# Altium PCB qfuse_PCB.PcbDoc (part 1 of 2)
Units mm, origin at the board's own origin, x right, y up, seen from the top; angles counter-clockwise.
Board outline 56 x 65 mm, 4 copper layers (Signal Layer 1, Top GND, Bottom GND, Signal Layer 2), stack 1.586 mm thick; 138 components, 67 nets, 465 pads, 427 vias.
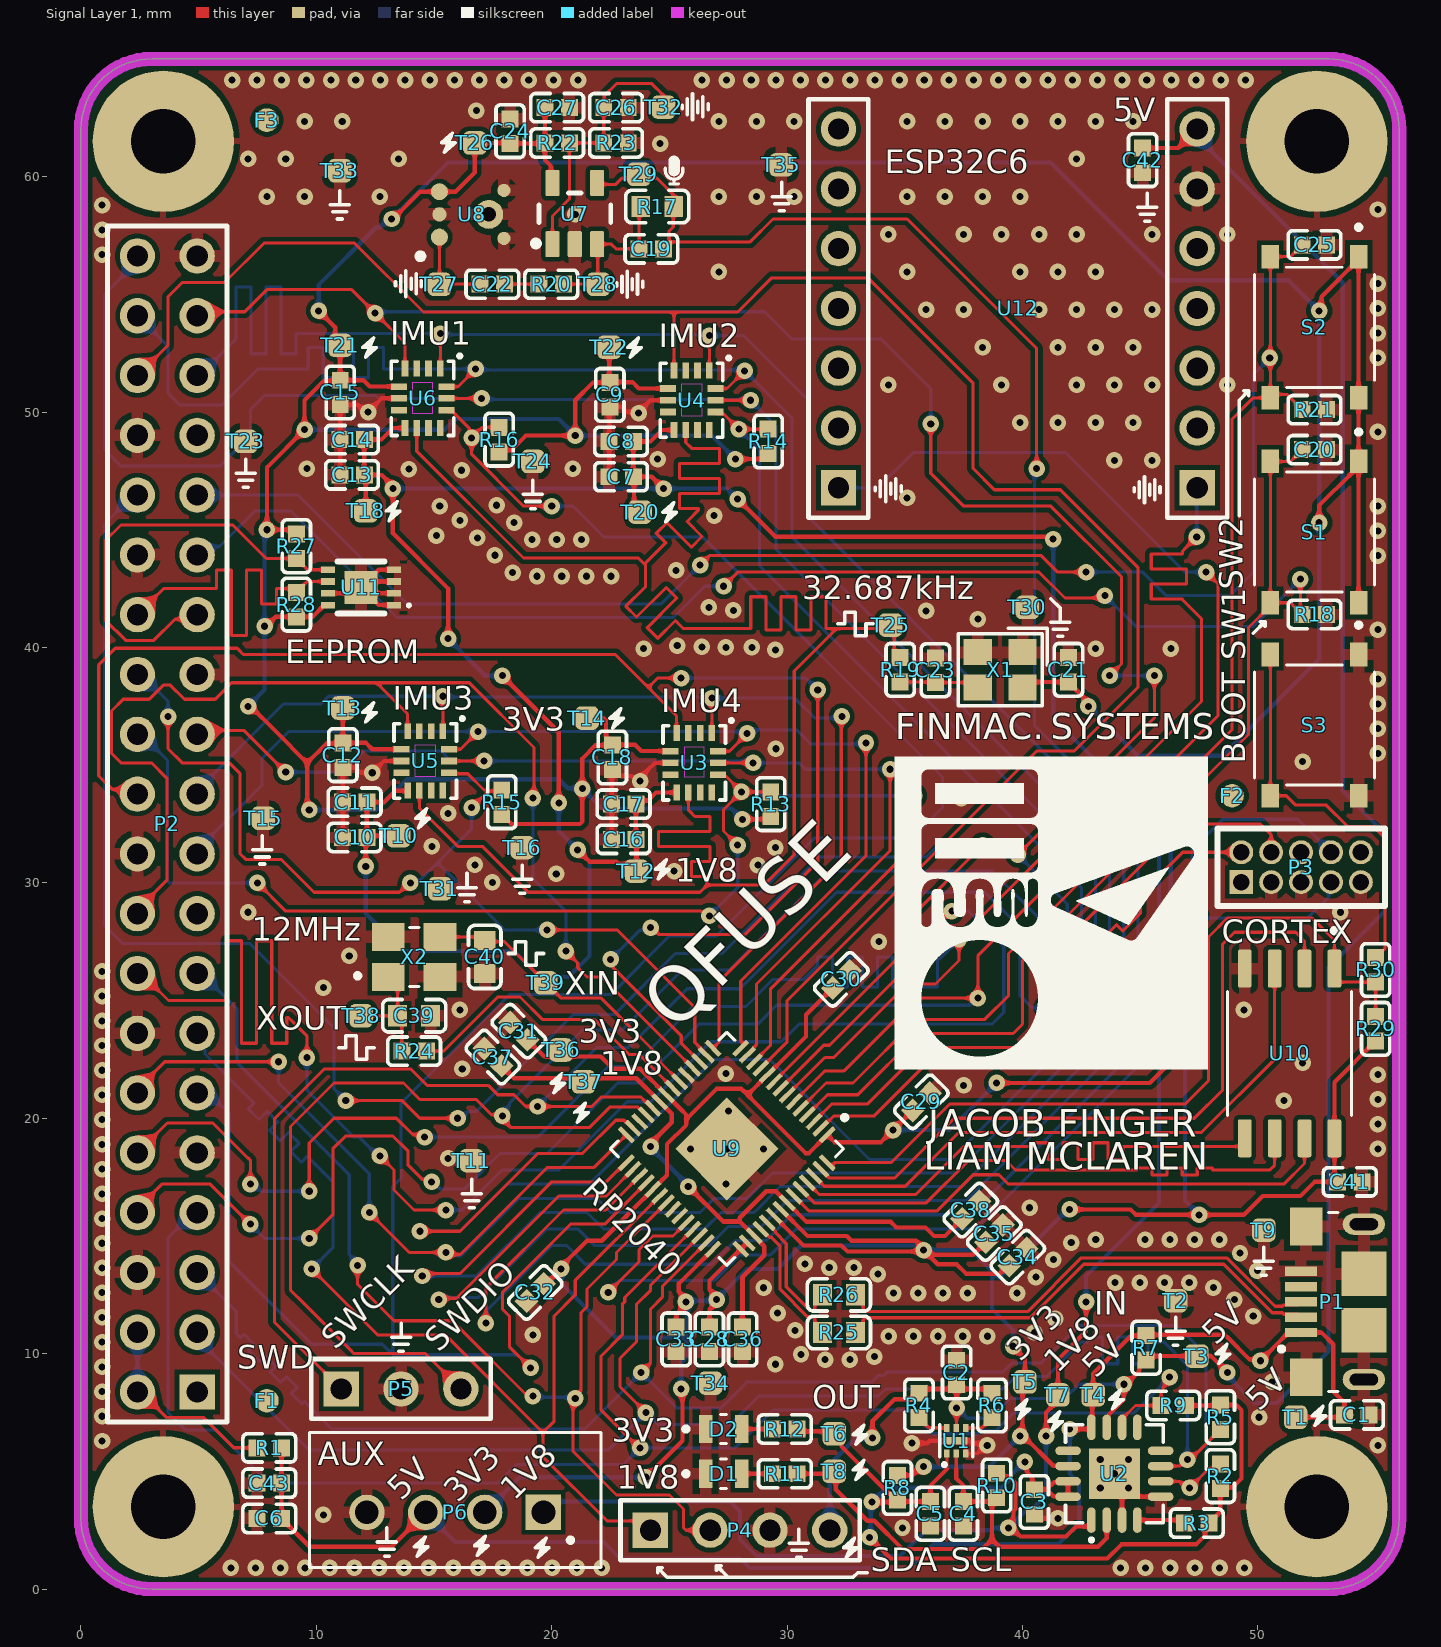
[diagram p0: Signal Layer 1 view]
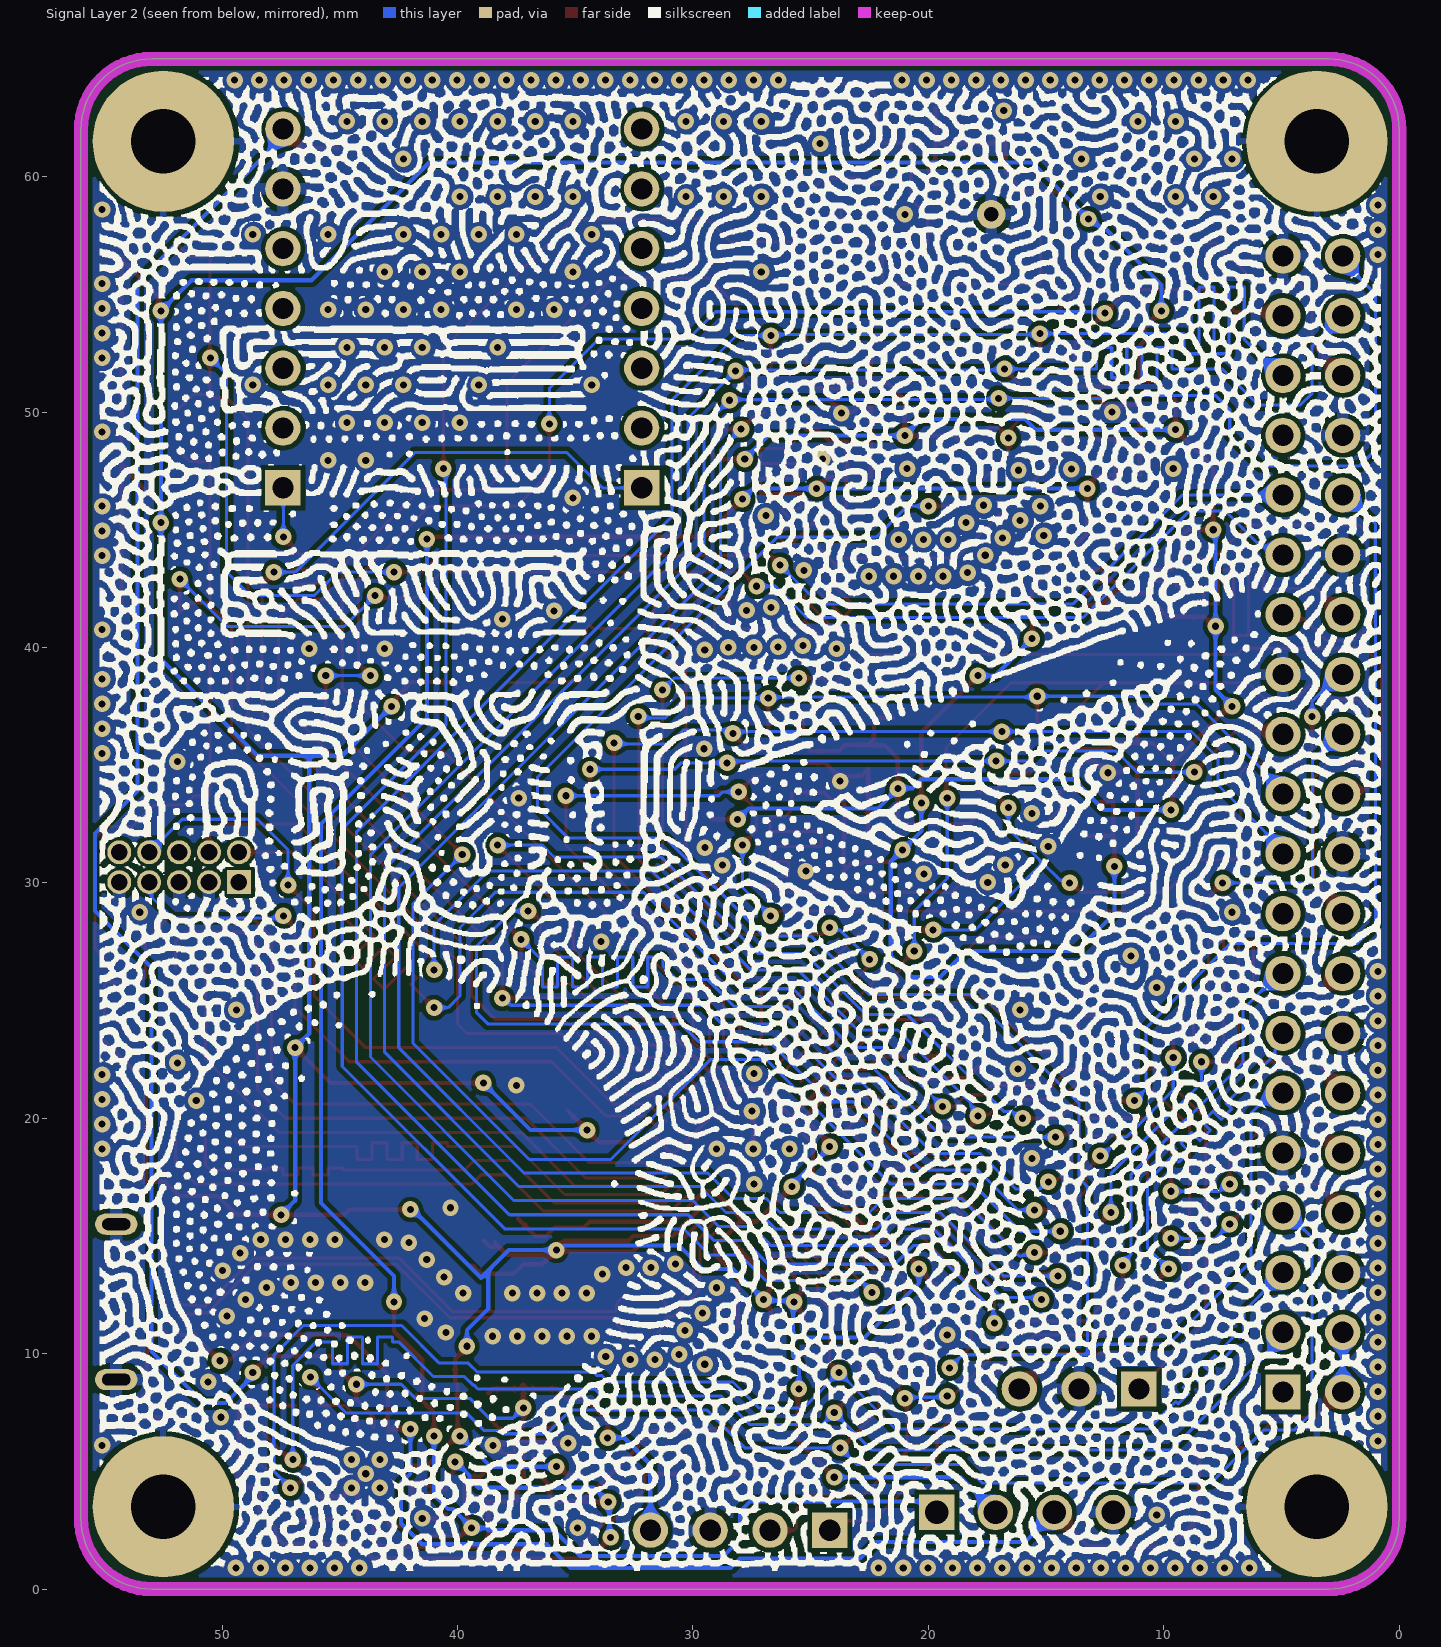
[diagram p1: Signal Layer 2 view, seen from below]
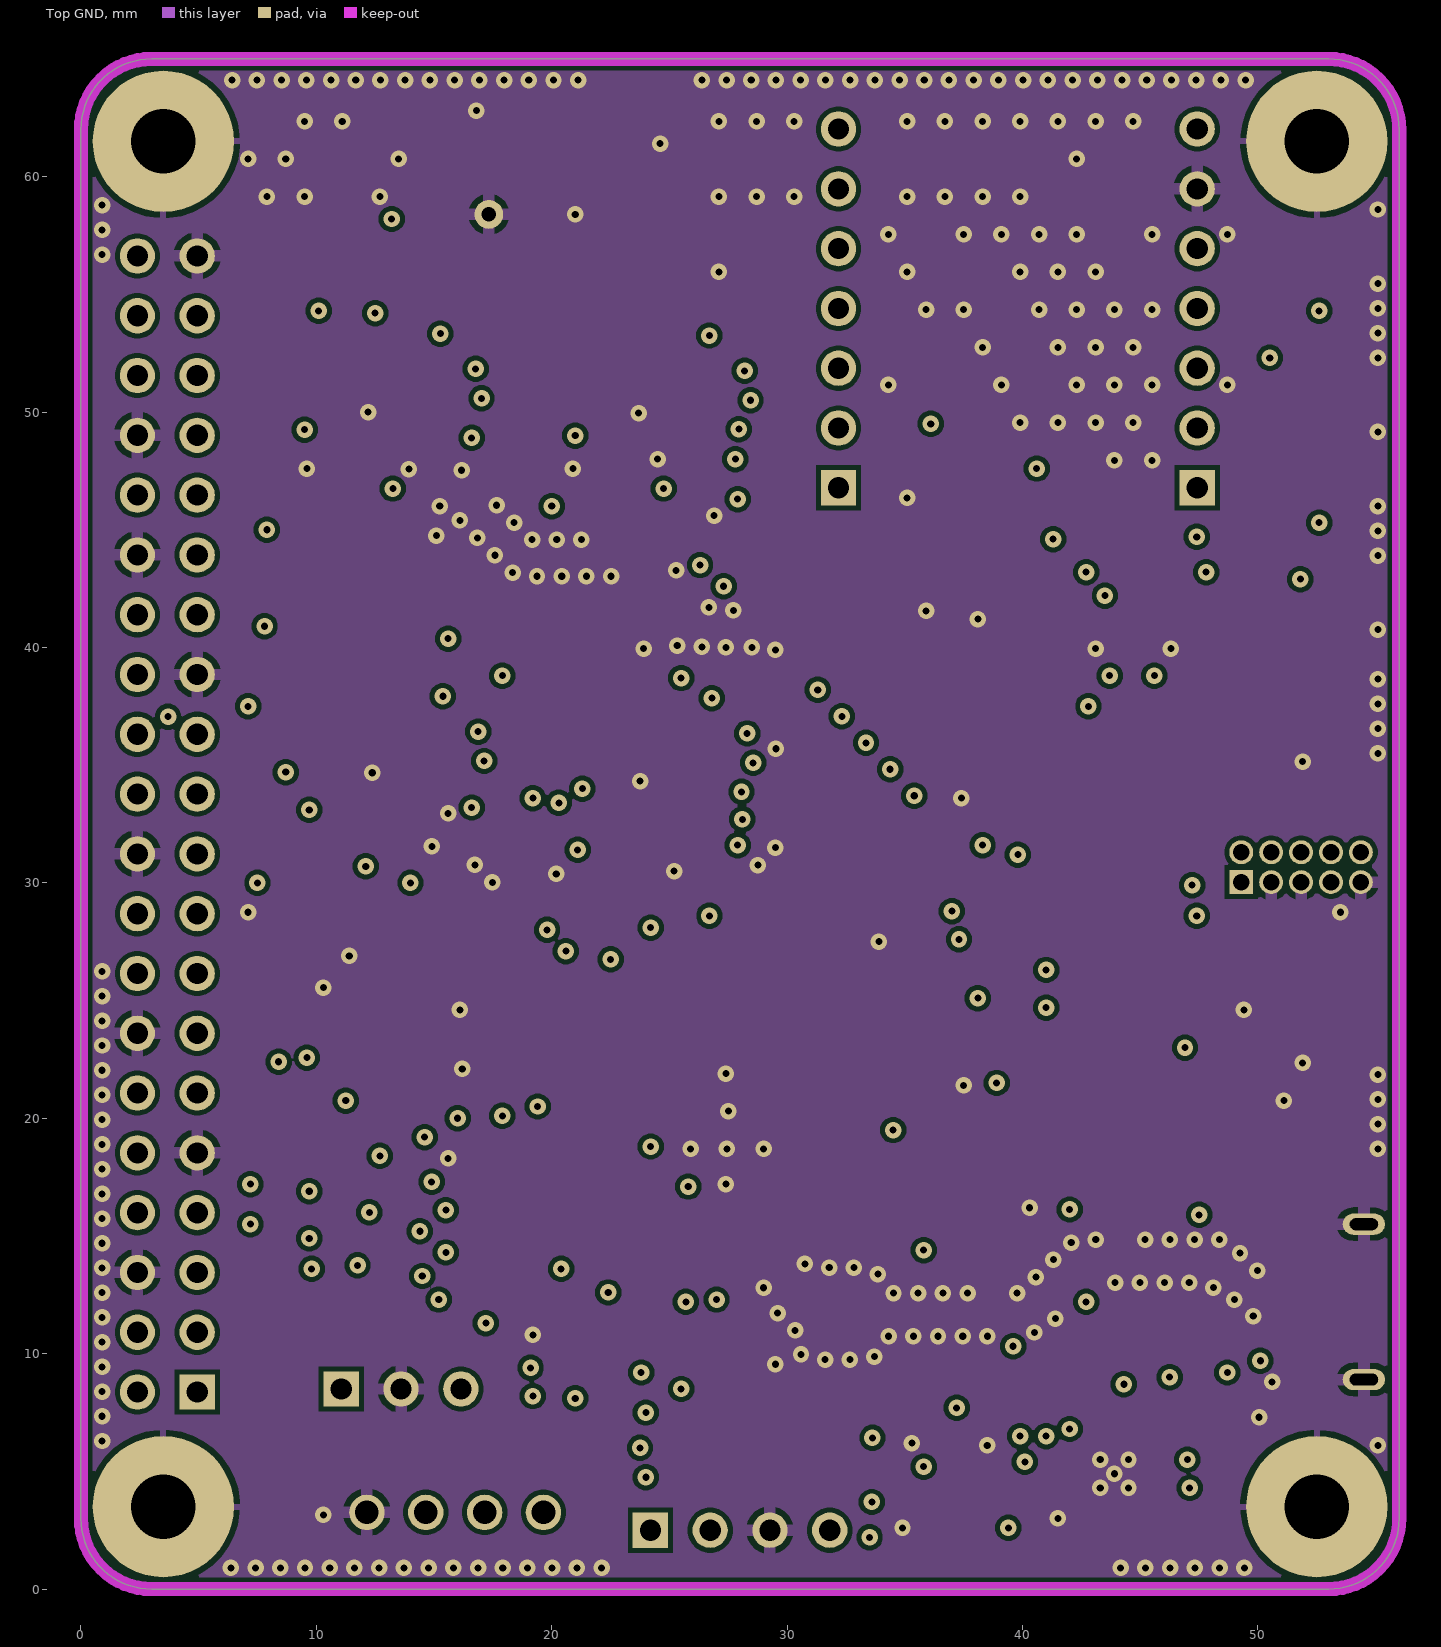
[diagram p2: Top GND]
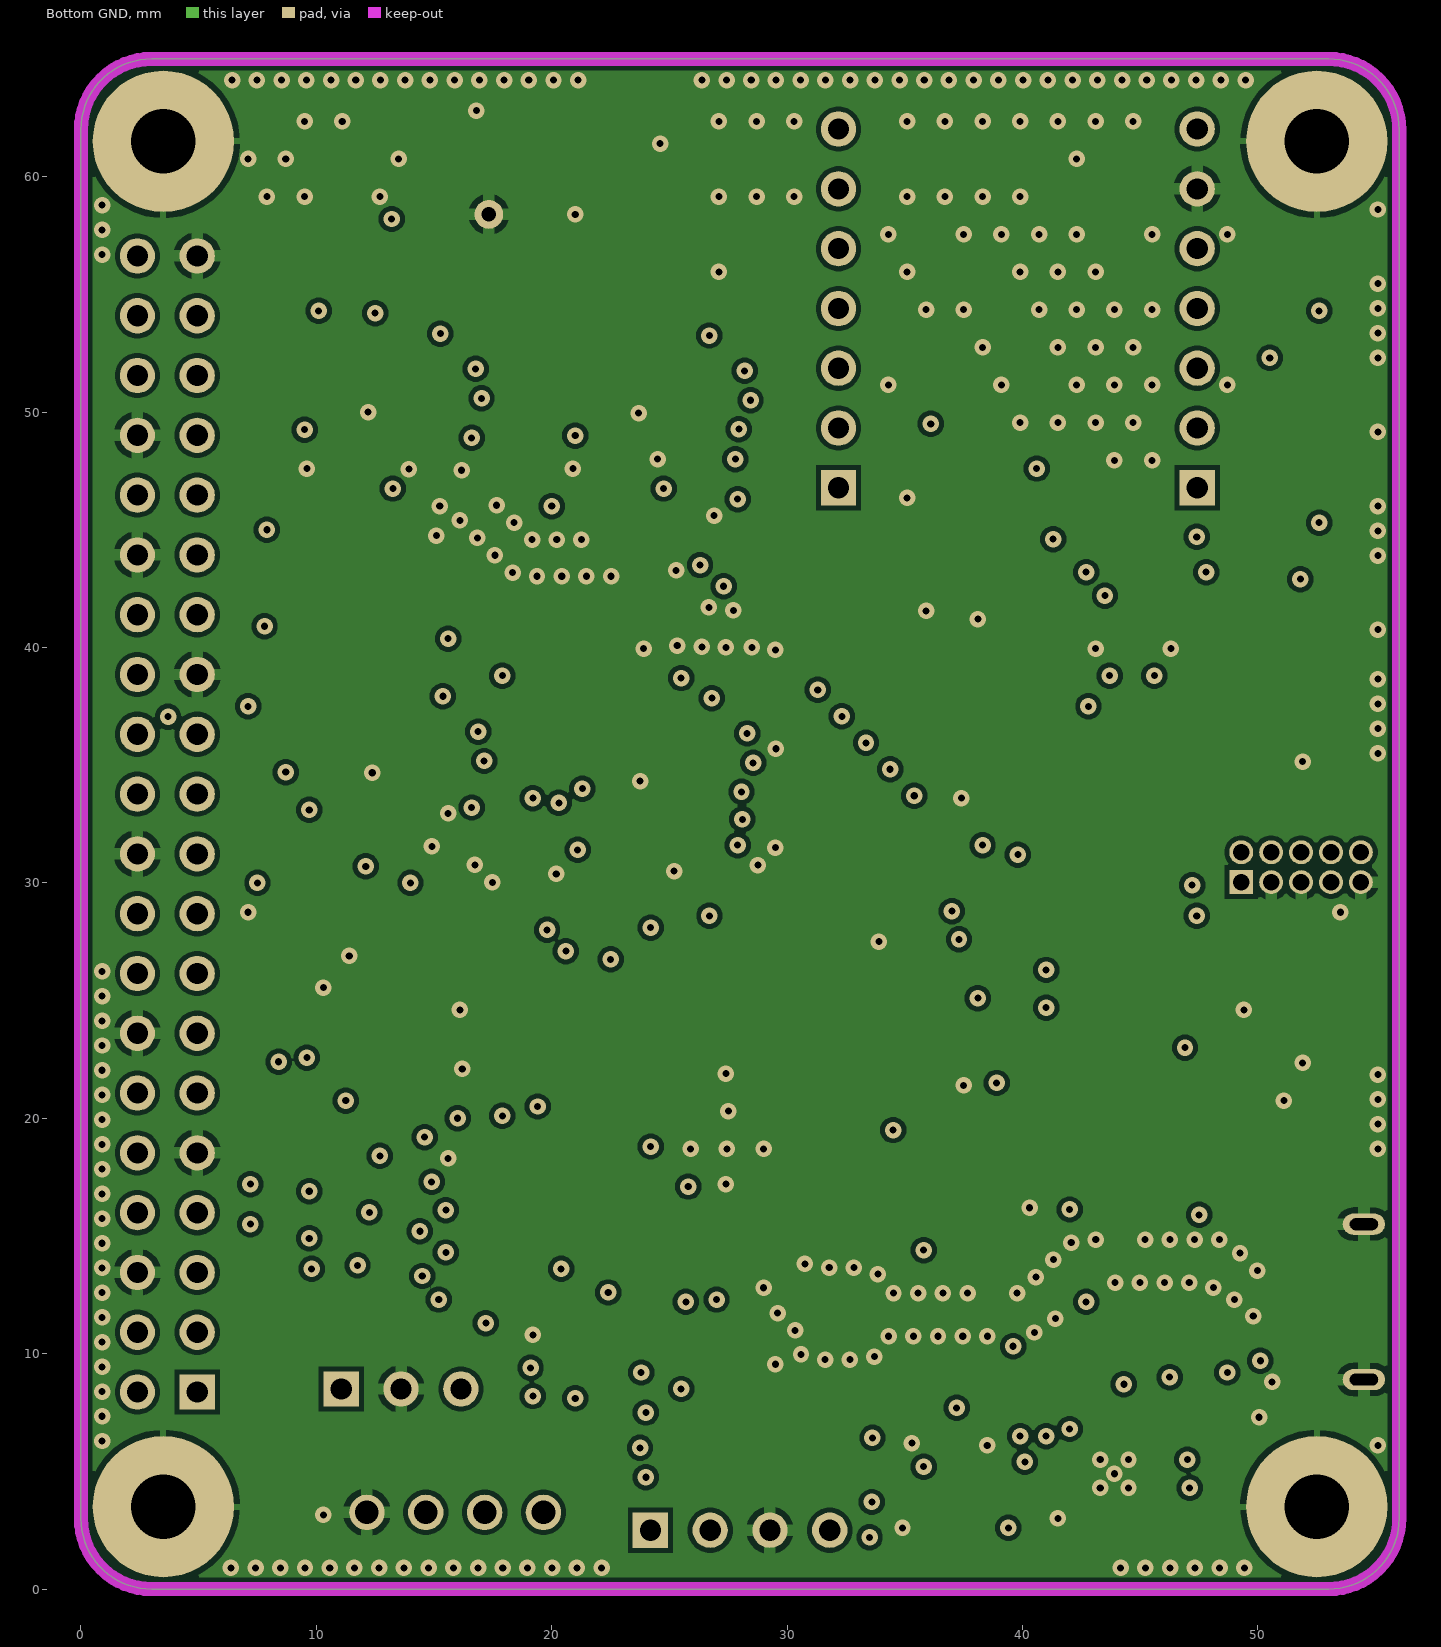
[diagram p3: Bottom GND]

## Layer stack, top to bottom
Top Solder Mask: solder mask 0.0305, Solder Resist, Dk 3.8
Signal Layer 1: signal copper 0.035
Dielectric 1: prepreg 0.2104, 7628, Dk 4.4
Top GND: signal copper 0.0152
Core: dielectric 1.065, FR-4, Dk 4.6
Bottom GND: signal copper 0.0152
Dielectric 2: prepreg 0.2104, 7628, Dk 4.4
Signal Layer 2: signal copper 0.035
Bottom Solder Mask: solder mask 0.0305, Solder Resist, Dk 3.8

## Board outline
3,0 cw(c3,3) 0,3 0,62 cw(c3,62) 3,65 53,65 cw(c53,62) 56,62 56,3 cw(c53,3) 53,0

## Design rules (kind name [scope] priority, off if disabled: settings)
BoardOutlineClearance [All] p1: gap=0.2 ignorepadtopadclearanceinfootprint=FALSE except(0.4: Arc-SplitBarrior Arc-SplitContinuation Track-SplitBarrior Track-SplitContinuation SMDPad-SplitBarrior SMDPad-SplitContinuation THPad-SplitBarrior THPad-SplitContinuation Via-SplitBarrior Via-SplitContinuation Fill-SplitBarrior Fill-SplitContinuation Poly-SplitBarrior Poly-SplitContinuation Region-SplitBarrior Region-SplitContinuation Text-SplitBarrior Text-SplitContinuation)
Clearance Signals_Clearance [InNetClass('Signals') or InNetClass('Clock')] p1 off: gap=0.05 ignorepadtopadclearanceinfootprint=FALSE except(0.3: Arc-THPad Track-THPad; 0.393: Arc-Arc Arc-Track Arc-Via Track-Track Track-Via)
Clearance "Clearance Bottom Layer" [OnLayer('Bottom Layer')] p2: gap=0.203 ignorepadtopadclearanceinfootprint=TRUE except(0.254: Arc-Text Track-Text SMDPad-Text THPad-Text Via-Text Fill-Text Poly-Text Region-Text Text-Text)
Clearance "Clearance Top Layer" [OnLayer('Top Layer')] p3: gap=0.203 ignorepadtopadclearanceinfootprint=TRUE except(0.254: Arc-Text Track-Text SMDPad-Text THPad-Text Via-Text Fill-Text Poly-Text Region-Text Text-Text)
Clearance [All] p4: gap=0.2 ignorepadtopadclearanceinfootprint=FALSE except(0.1: Arc-Arc Arc-Track Track-Track SMDPad-SMDPad; 0.127: Arc-Via Track-Via SMDPad-Via THPad-Via Via-Via; 0.254: Arc-Text Track-Text SMDPad-Text THPad-Text Via-Text Fill-Text Poly-Text Region-Text Text-Text)
DiffPairsRouting [All] p1: maxlimit=0.127 minlimit=0.127 mostfreqgap=0.127 toplayer_minwidth=0.14 toplayer_maxwidth=0.14 toplayer_prefwidth=0.14 midlayer1_minwidth=0.11 midlayer1_maxwidth=0.11 midlayer1_prefwidth=0.11 midlayer2_minwidth=0.11 midlayer2_maxwidth=0.11 midlayer2_prefwidth=0.11 bottomlayer_minwidth=0.14 bottomlayer_maxwidth=0.14 bottomlayer_prefwidth=0.14 impedanceprofiledriven=TRUE impedanceprofileid={67CA3E14-9597-4C83-AB68-5B263E8C3A07} impedanceprofilevalue=100.000000 maxuncoupledlength=12.7
HoleSize [All] p1: absolutevalues=TRUE maxlimit=6.3 minlimit=0.2 maxpercent=80.000 minpercent=20.000
Length [InNetClass('Clock')] p1 off: maxlimit=2540 minlimit=0 usedelayunits=TRUE mindelay=80.000000 maxdelay=85.000000
MinimumAnnularRing [All] p1: minimumring=0.076
MinimumSolderMaskSliver [All] p1: minsoldermaskwidth=0.1
NetAntennae [Not InNet(GND)] p1: netantennaetolerance=0
PolygonConnect PolygonConnect_1 [All] p1: thpad.connectstyle=Relief thpad.reliefconductorwidth=0.508 thpad.reliefentries=4 thpad.polygonreliefangle="90 Angle" thpad.airgapwidth=0.254 smdpad.connectstyle=Relief smdpad.reliefconductorwidth=0.508 smdpad.reliefentries=4 smdpad.polygonreliefangle="90 Angle" smdpad.airgapwidth=0.254 via.connectstyle=Direct via.reliefconductorwidth=0.508 via.reliefentries=4 via.polygonreliefangle="90 Angle" via.airgapwidth=0.254
RoutingCorners [All] p1: cornerstyle=Round minsetback=2.54 maxsetback=2.54
RoutingVias [All] p1: holewidth=0.5 width=1 viastyle="Through Hole" minholewidth=0.2 minwidth=0.45 maxholewidth=1 maxwidth=2
SilkToSilkClearance [All] p1: silktosilkclearance=0.1
SilkToSolderMaskClearance [IsPad] p1: minsilkscreentomaskgap=0.1 clearancetoexposedcopper=TRUE
SolderMaskExpansion [All] p1: expansion=0.102 istentingtop=FALSE
SupplyNets "Schematic Supply Nets_1" [InNet('+1.1V MCU')] p1: voltage=0.000
SupplyNets "Schematic Supply Nets_10" [InNet('+1.8V VDD')] p2: voltage=0.000
SupplyNets "Schematic Supply Nets_9" [InNet('+5 VCC IN')] p3: voltage=0.000
SupplyNets "Schematic Supply Nets_8" [InNet('+3.3V OUT')] p4: voltage=0.000
SupplyNets "Schematic Supply Nets_7" [InNet('+3.3V VDDIO')] p5: voltage=0.000
SupplyNets "Schematic Supply Nets_6" [InNet('+5V VCC')] p6: voltage=0.000
SupplyNets "Schematic Supply Nets_5" [InNet('+1.8V OUT')] p7: voltage=0.000
SupplyNets "Schematic Supply Nets_3" [InNet('GND')] p8: voltage=0.000
SupplyNets "Schematic Supply Nets" [InNet('+3V3')] p9: voltage=0.000
Width Width_Clock [InNetClass('Clock')] p1: maxlimit=2.54 minlimit=0.11 preferedwidth=0.131
Width Width_Signals [InNetClass('Signals')] p2: maxlimit=2.54 minlimit=0.11 preferedwidth=0.131
Width Width_Power [InNetClass('Power')] p3: maxlimit=0.254 minlimit=0.11 preferedwidth=0.18
Width [All] p4: maxlimit=2.54 minlimit=0.11 preferedwidth=0.381
23 further rules are at their usual default settings.

## Classes and differential pairs
component class "SCH - Wireless Coms": C42 U12
net class USB: USB_N USB_P USB_X_N USB_X_P
net class SPI1: IMU1_CS1 IMU1_CS2 IMU1_INT3 IMU1_INT4 IMU1_MISO IMU1_MOSI IMU1_SCLK
net class SPI0: IMU0_CS1 IMU0_CS2 IMU0_INT1 IMU0_INT2 IMU0_MISO IMU0_MOSI IMU0_SCLK
net class QSPI: QSPI_CLK QSPI_CS QSPI_SD0 QSPI_SD1 QSPI_SD2 QSPI_SD3
net class GND: GND NetR30_1
component class "SCH - Power, Connector": C1 C2 C3 C4 C5 C6 C43 D1 D2 F1 F2 F3 P1 P2 P3 P4 P5 P6 R1 R2 R3 R4 R5 R6 R7 R8 R9 R10 R11 R12 T1 T2 T3 T4 T5 T6 T7 T8 T9 U1 U2
component class "SCH - Peripheral": C7 C8 C9 C10 C11 C12 C13 C14 C15 C16 C17 C18 C19 C20 C21 C22 C23 C24 C25 C26 C27 R13 R14 R15 R16 R17 R18 R19 R20 R21 R22 R23 S1 S2 T10 T12 T13 T14 T15 T16 T18 T20 T21 T22 T23 T24 T25 T26 T27 T28 T29 T30 T31 T32 T33 T34 T35 U3 U4 U5 U6 U7 U8 X1
component class "SCH - Compute, Flash": C28 C29 C30 C31 C32 C33 C34 C35 C36 C37 C38 C39 C40 C41 R24 R25 R26 R27 R28 R29 R30 S3 T11 T36 T37 T38 T39 U9 U10 U11 X2
net class Signals: CLK CLOCK CONNECT_CTS CONNECT_RTS CONNECT_RX CONNECT_TX DEBUG_RX DEBUG_TX EEPROM_SCL EEPROM_SDA I2C_SCL I2C_SDA IMU0_CS1 IMU0_CS2 IMU0_INT1 IMU0_INT2 IMU0_MISO IMU0_MOSI IMU1_CS1 IMU1_CS2 IMU1_INT3 IMU1_INT4 IMU1_MISO IMU1_MOSI MIC_IN NetC19_1 NetC22_1 NetC22_2 NetC26_2 PWR_PV QSPI_CLK QSPI_CS QSPI_SD0 QSPI_SD1 QSPI_SD2 SCREEN_SCL SCREEN_SDA SW1 SW2 SWDIO
net class Power: "+1.1V MCU" "+1.8V OUT" "+1.8V VDD" "+3.3V OUT" "+3.3V VDDIO" "+5 VCC IN" "+5V VCC" NetD1_A NetD2_A NetR3_2
net class I2C: I2C_SCL I2C_SDA
net class Ground: GND
net class Clock: CLK CLOCK EEPROM_SCL IMU0_SCLK IMU1_SCLK QSPI_CLK SWCLK XIN XOUT XOUT`
differential pair USB: +USB_P -USB_N
differential pair USB_X: +USB_X_P -USB_X_N
